# Altium PCB APC1_EPS.PcbDoc
Units mil, origin at the board's own origin, x right, y up, seen from the top; angles counter-clockwise.
Board outline 1732.28 x 1732.28 mil, 2 copper layers (Top Layer, Bottom Layer), stack 61.756 mil thick; 73 components, 44 nets, 342 pads, 214 vias.
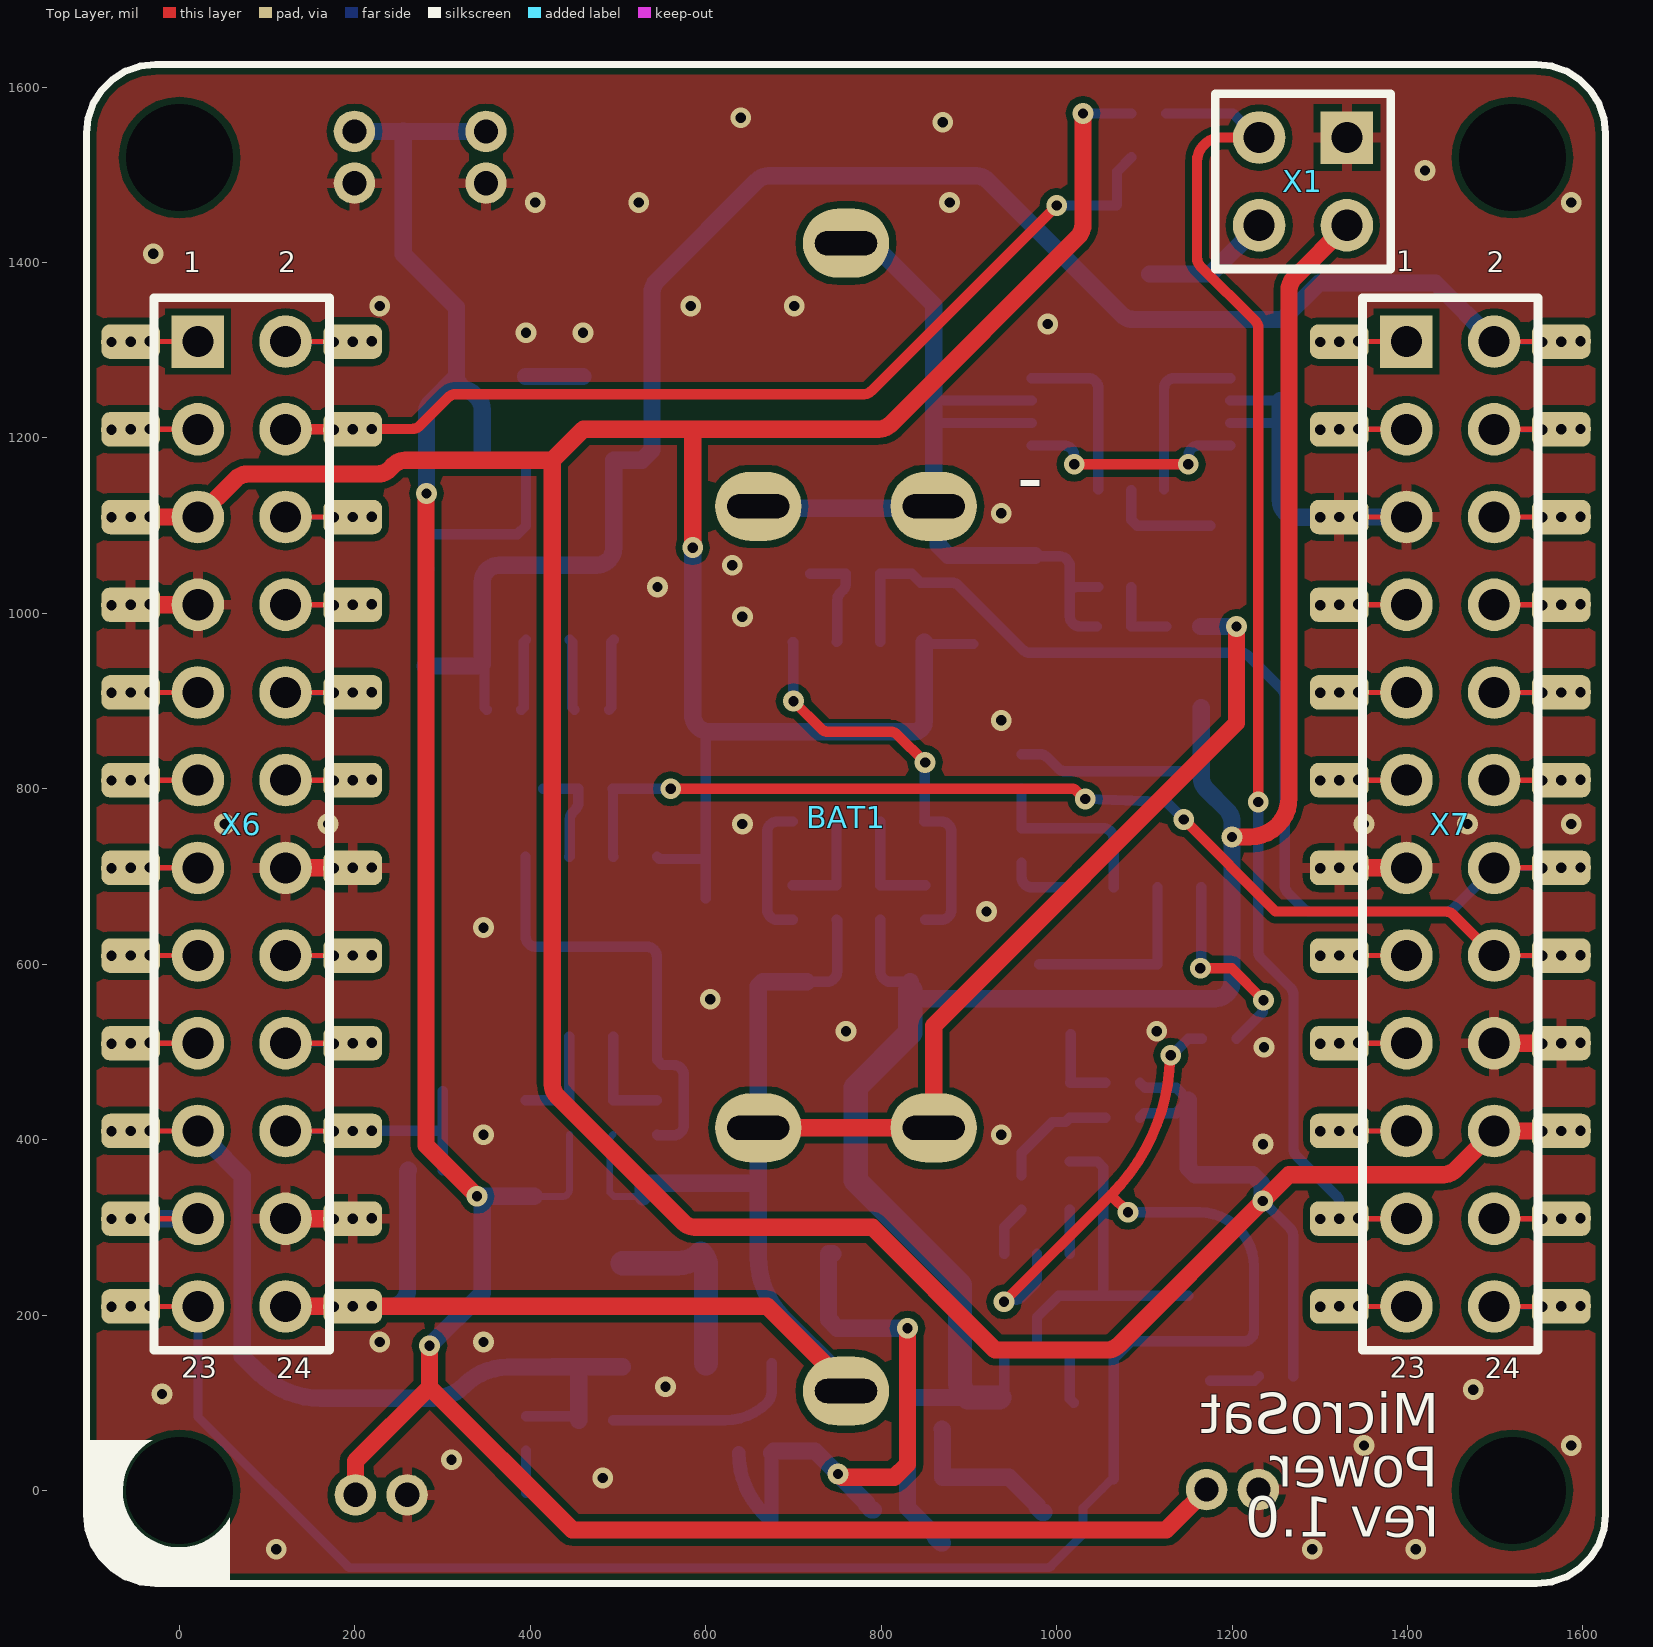
[diagram p0: Top Layer view]
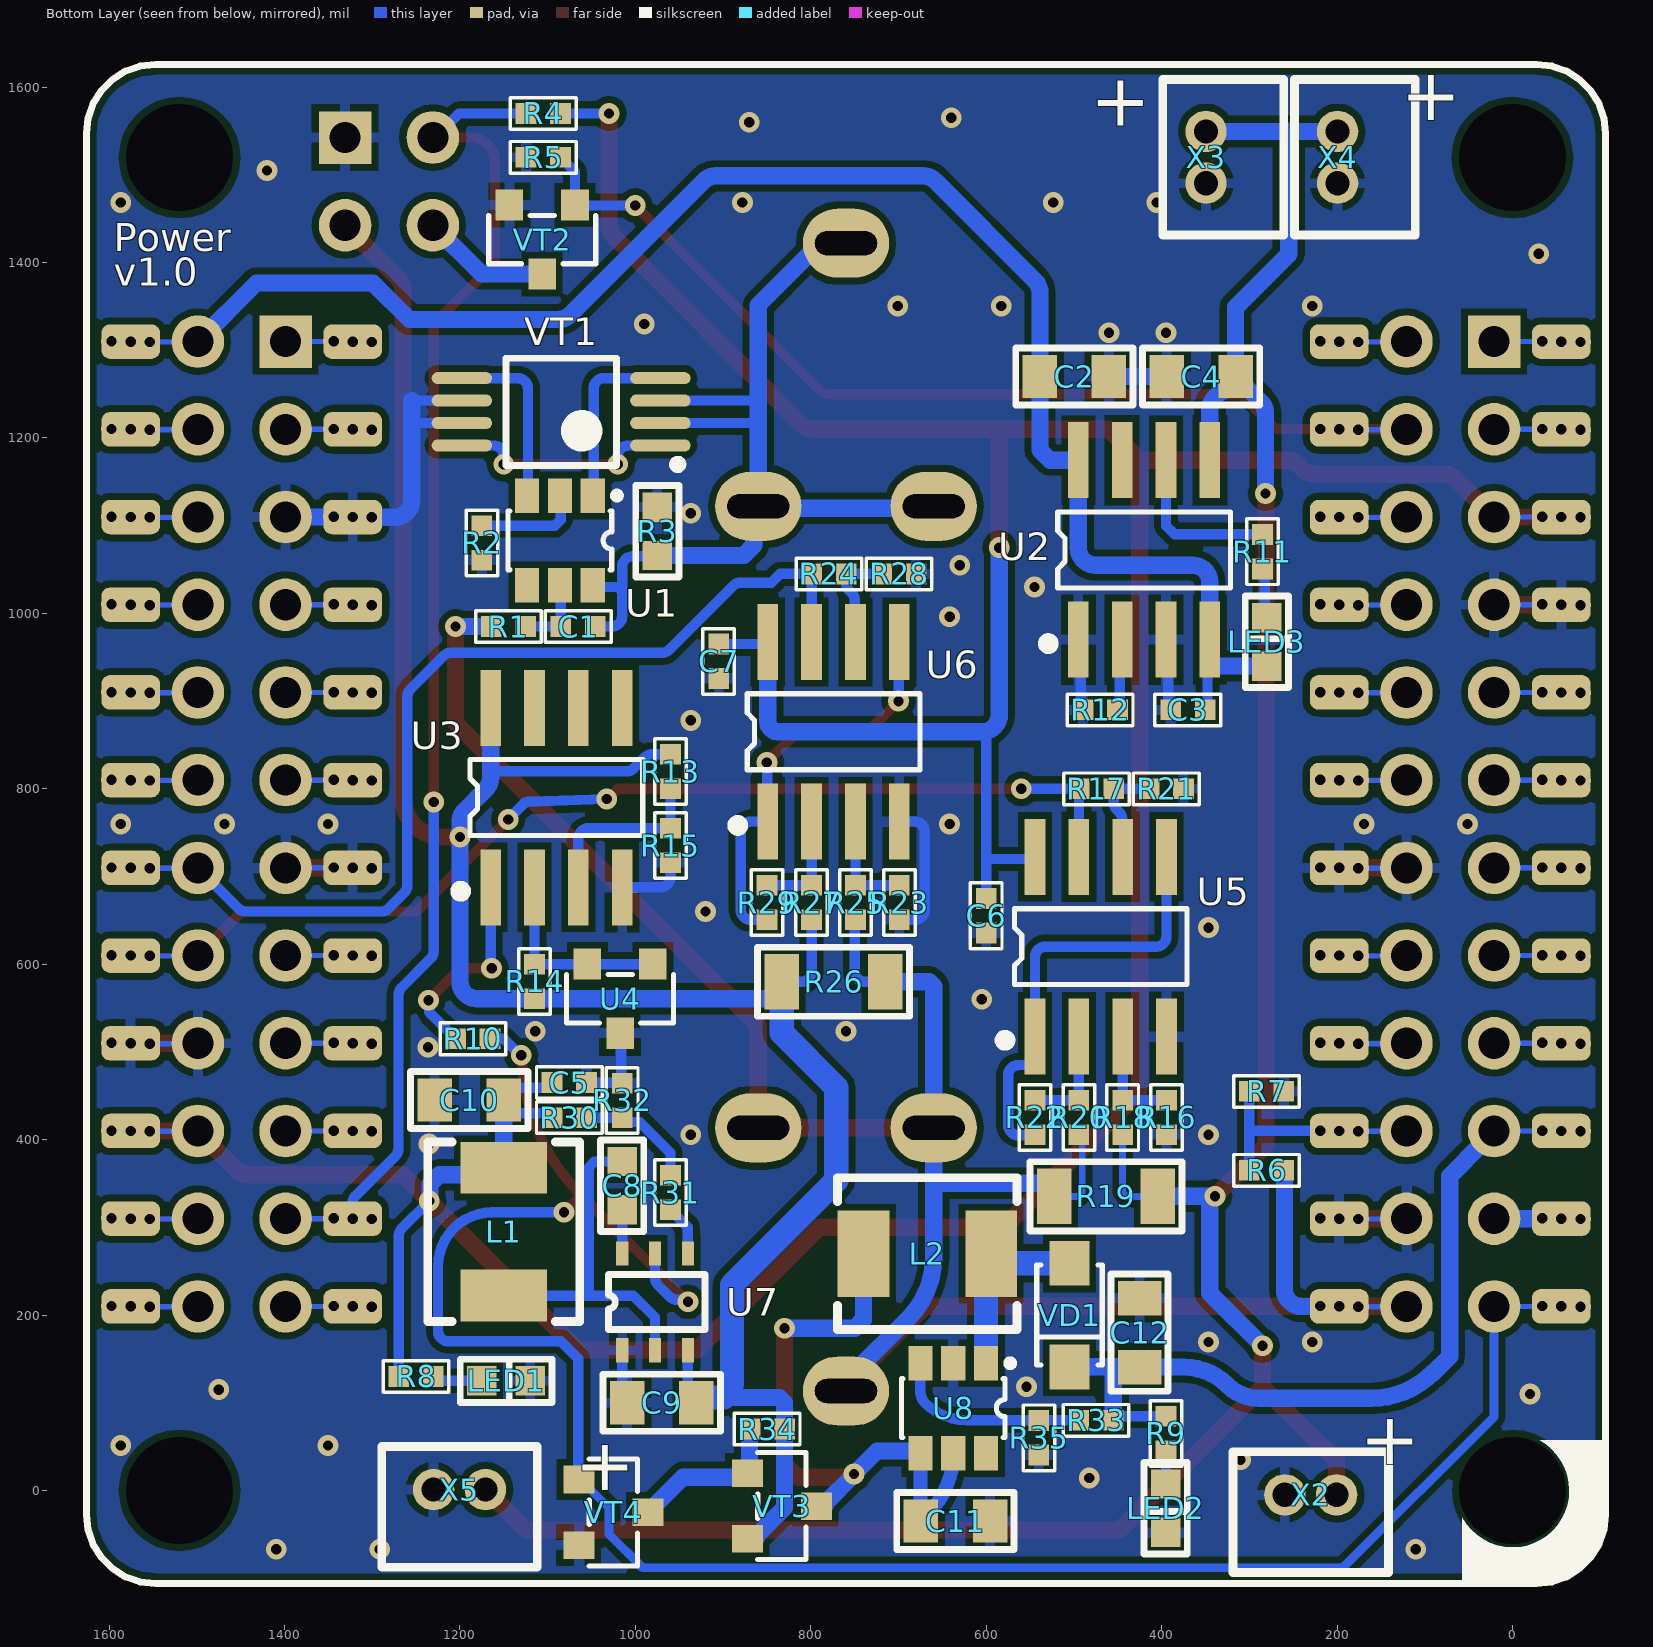
[diagram p1: Bottom Layer view, seen from below]

## Layer stack, top to bottom
Top Solder: solder mask 1, SM-001, Dk 4
Top Layer: signal copper 1.378
Dielectric 1: core 59, Core-043, Dk 4.3
Bottom Layer: signal copper 1.378
Bottom Solder: solder mask 1, SM-001, Dk 4

## Board outline
-106.3,-27.56 -104.33,-45.08 -98.5,-61.72 -89.12,-76.65 -76.65,-89.12 -61.72,-98.5 -45.08,-104.33 -27.56,-106.3 1547.24,-106.3 1564.77,-104.33 1581.41,-98.5 1596.34,-89.12 1608.81,-76.65 1618.19,-61.72 1624.01,-45.08 1625.98,-27.56 1625.98,1547.24 1624.01,1564.77 1618.19,1581.41 1608.81,1596.34 1596.34,1608.81 1581.41,1618.19 1564.77,1624.01 1547.24,1625.98 -27.56,1625.98 -45.08,1624.01 -61.72,1618.19 -76.65,1608.81 -89.12,1596.34 -98.5,1581.41 -104.33,1564.77 -106.3,1547.24

## Design rules (kind name [scope] priority, off if disabled: settings)
BoardOutlineClearance [All] p1: gap=11.81 ignorepadtopadclearanceinfootprint=FALSE
Clearance Clearance_MultiLayerPad [OnLayer('Multi-Layer') and IsPad] p1: gap=7.87 ignorepadtopadclearanceinfootprint=FALSE except(0: Arc-Hole Track-Hole SMDPad-Hole THPad-Hole Via-Hole Fill-Hole Poly-Hole Region-Hole Text-Hole)
Clearance Clearance_Polygon [InPolygon] p2: gap=5.91 ignorepadtopadclearanceinfootprint=FALSE except(0: Arc-Hole Track-Hole SMDPad-Hole THPad-Hole Via-Hole Fill-Hole Poly-Hole Region-Hole Text-Hole; 7.87: Arc-Poly Arc-Region Track-Poly Track-Region SMDPad-Poly SMDPad-Region THPad-Poly THPad-Region Via-Poly Via-Region Fill-Poly Fill-Region Poly-Poly Poly-Region)
Clearance [All] p3: gap=5.91 ignorepadtopadclearanceinfootprint=FALSE except(0: Arc-Hole Track-Hole SMDPad-Hole THPad-Hole Via-Hole Fill-Hole Poly-Hole Region-Hole Text-Hole)
ComponentClearance [All] p1: gap=19.68 collisioncheckmode=3 verticalgap=19.68 showdistances=FALSE
DiffPairsRouting [All] p1: maxlimit=15.75 minlimit=5.91 mostfreqgap=11.81 toplayer_minwidth=5.91 toplayer_maxwidth=11.81 toplayer_prefwidth=5.91 bottomlayer_minwidth=5.91 bottomlayer_maxwidth=11.81 bottomlayer_prefwidth=5.91 maxuncoupledlength=500
Height [All] p1: minheight=0 maxheight=1968.5 prefheight=500
HoleSize [All] p1: absolutevalues=TRUE maxlimit=393.7 minlimit=11.81 maxpercent=80.000 minpercent=20.000
HoleToHoleClearance [All] p1: gap=8 allowstackedmicrovias=TRUE
MinimumSolderMaskSliver [All] p1: minsoldermaskwidth=7.87
PlaneClearance [All] p1: clearance=19.68
PlaneConnect [All] p1: planeconnectstyle=Relief reliefexpansion=19.68 reliefentries=4 reliefconductorwidth=11.81 reliefairgap=7.87
PolygonConnect PolygonConnect_PadGND [InNet('GND') and IsPad] p1: connectstyle=Relief reliefconductorwidth=11.81 reliefentries=4 polygonreliefangle="90 Angle" airgapwidth=7.87
PolygonConnect PolygonConnect_Via [IsVia] p2: connectstyle=Direct reliefconductorwidth=10 reliefentries=4 polygonreliefangle="90 Angle" airgapwidth=10
PolygonConnect [All] p3: connectstyle=Relief reliefconductorwidth=11.81 reliefentries=4 polygonreliefangle="90 Angle" airgapwidth=7.87
RoomDefinition MT3608 [InComponentClass('MT3608')] p1: confinementstyle=ConfineIn formatcopy=TRUE lockcomponents=FALSE outline -5559.05,-5145.67 -3559.05,-5145.67 -3559.05,-4145.67 -5559.05,-4145.67
RoutingVias [All] p1: holewidth=7.87 width=31.5 viastyle="Through Hole" minholewidth=0 minwidth=23.62 maxholewidth=15.75 maxwidth=39.37
SilkToSolderMaskClearance [IsPad] p1: minsilkscreentomaskgap=7.87 clearancetoexposedcopper=TRUE
SolderMaskExpansion [All] p1: expansion=2.95 istentingtop=FALSE
Width [All] p1: maxlimit=39.37 minlimit=5 preferedwidth=11.81 minimp=50.000000 maximp=50.000000 favimp=50.000000
21 further rules are at their usual default settings.

## Classes and differential pairs
component class MT3608: C12 L2 R33 R34 R35 U8 VD1 VT3 VT4
channel class Current_detector: LMV3581 LMV3582

## Components (designator, comment, footprint, x,y, rotation, side; value= is the part's Value field where it differs from the comment)
BAT1 "18350+clipses" BAT_18350_CLIPS 759.84,767.72 r0 top locked
C1 "CERCAP 0402 0.1uF 10V X7R" "CERCAP 0402" 1065.32,985 r0 bottom value=0.1uF
C2 "CERCAP 0805 4.7uF 10V X7R" "CERCAP 0805" 499.37,1270 r0 bottom value=4.7uF
C3 "CERCAP 0402 0.1uF 10V X7R" "CERCAP 0402" 370,890 r180 bottom value=0.1uF
C4 "CERCAP 0805 4.7uF 10V X7R" "CERCAP 0805" 355,1270 r180 bottom value=4.7uF
C5 "CERCAP 0402 0.1 uF * X7R" "CERCAP 0402" 1075.32,465 r0 bottom value="0.1 uF" (schematic designator C8)
C6 "CERCAP 0402 0.1 uF * X7R" "CERCAP 0402" 600,655.32 r90 bottom value="0.1 uF" (schematic designator C9)
C7 "CERCAP 0402 0.1 uF * X7R" "CERCAP 0402" 905,945.32 r90 bottom value="0.1 uF" (schematic designator C9)
C8 "CERCAP 0603 1 uF * X7R" "CERCAP 0603" 1015,347.56 r270 bottom value="1 uF" (schematic designator C6)
C9 "CERCAP 0805 22 uF * X7R" "CERCAP 0805" 970,100 r180 bottom value="22 uF" (schematic designator C5)
C10 "CERCAP 0805 22 uF * X7R" "CERCAP 0805" 1189.37,445 r180 bottom value="22 uF" (schematic designator C7)
C11 "CERCAP 0805 22uF * X7R" "CERCAP 0805" 635,-35 r0 bottom value=22uF (schematic designator C10)
C12 "CERCAP 0805 22uF * X7R" "CERCAP 0805" 425,180 r270 bottom value=22uF (schematic designator C11)
L1 "FXL0420 10uH" FXL0420 1150,295 r90 bottom value=10uH
L2 "FXL0420 4.7uF" FXL0420 667.17,270 r180 bottom value=4.7uF
LED1 "LED 0603 Green" "LED 0603" 1147.44,125 r180 bottom value=Green
LED2 "LED 0603 Green" "LED 0603" 395.42,-20.24 r270 bottom value=Green
LED3 "LED 0603 Green" "LED 0603" 280,967.44 r90 bottom value=Green (schematic designator LED2)
R1 "RES 0402 100" "RES 0402" 1144.69,985 r180 bottom value=100 (schematic designator R8)
R2 "RES 0402 1k" "RES 0402" 1175,1080.31 r90 bottom value=1k (schematic designator R10)
R3 "RES 0603 None" "RES 0603" 975,1093.54 r270 bottom value=None (schematic designator R9)
R4 "RES 0402 10k" "RES 0402" 1105,1570 r0 bottom value=10k (schematic designator R1)
R5 "RES 0402 10k" "RES 0402" 1105,1520 r180 bottom value=10k (schematic designator R2)
R6 "RES 0402 10k" "RES 0402" 280.32,365 r180 bottom value=10k (schematic designator R3)
R7 "RES 0402 10k" "RES 0402" 280.32,455 r0 bottom value=10k (schematic designator R4)
R8 "RES 0402 4.7k" "RES 0402" 1250,130 r0 bottom value=4.7k (schematic designator R5)
R9 "RES 0402 4.7k" "RES 0402" 395,65 r90 bottom value=4.7k (schematic designator R6)
R10 "RES 0402 2k" "RES 0402" 1185.32,515 r180 bottom value=2k (schematic designator R7)
R11 "RES 0402 4.7k" "RES 0402" 285,1070.31 r270 bottom value=4.7k (schematic designator R12)
R12 "RES 0402 3k" "RES 0402" 470,890 r180 bottom value=3k (schematic designator R11)
R13 "RES 0402 10k" "RES 0402" 960,819.68 r270 bottom value=10k (schematic designator R17)
R14 "RES 0402 50k" "RES 0402" 1115,580.31 r90 bottom value=50k (schematic designator R16)
R15 "RES 0402 6.1k????" "RES 0402" 960,735.31 r90 bottom value=6.1k???? (schematic designator R18)
R16 "RES 0402 39k" "RES 0402" 394.37,425.31 r270 bottom value=39k (schematic designator R22)
R17 "RES 0402 43k" "RES 0402" 474.37,800 r0 bottom value=43k (schematic designator R25)
R18 "RES 0402 39k" "RES 0402" 444.37,425.31 r90 bottom value=39k (schematic designator R20)
R19 "RES 1206 0.1" "RES 1206" 463.44,335.39 r180 bottom value=0.1
R20 "RES 0402 39k" "RES 0402" 494.37,425.31 r90 bottom value=39k (schematic designator R21)
R21 "RES 0402 560" "RES 0402" 394.69,800 r0 bottom value=560 (schematic designator R24)
R22 "RES 0402 39k" "RES 0402" 544.37,425.31 r270 bottom value=39k (schematic designator R23)
R23 "RES 0402 39k" "RES 0402" 699.06,670.31 r270 bottom value=39k (schematic designator R22)
R24 "RES 0402 43k" "RES 0402" 779.37,1045 r0 bottom value=43k (schematic designator R25)
R25 "RES 0402 39k" "RES 0402" 749.06,670.31 r90 bottom value=39k (schematic designator R20)
R26 "RES 1206 0.1" "RES 1206" 774.06,580 r180 bottom value=0.1 (schematic designator R19)
R27 "RES 0402 39k" "RES 0402" 799.06,670.31 r90 bottom value=39k (schematic designator R21)
R28 "RES 0402 560" "RES 0402" 699.37,1045 r0 bottom value=560 (schematic designator R24)
R29 "RES 0402 39k" "RES 0402" 850,670.31 r270 bottom value=39k (schematic designator R23)
R30 "RES 0402 40.2k" "RES 0402" 1075.32,425 r0 bottom value=40.2k (schematic designator R14)
R31 "RES 0402 75k" "RES 0402" 960,339.68 r90 bottom value=75k (schematic designator R13)
R32 "RES 0402 13k" "RES 0402" 1015,444.68 r270 bottom value=13k (schematic designator R15)
R33 "RES 0402 65k" "RES 0402" 474.69,80 r180 bottom value=65k (schematic designator R27)
R34 "RES 0402 10k" "RES 0402" 849.69,70 r0 bottom value=10k (schematic designator R26)
R35 "RES 0402 10k" "RES 0402" 540,60 r90 bottom value=10k (schematic designator R28)
U1 "DW01A" SOT23-6#1 1085.98,1083.13 r270 bottom
U2 "TP4056" SO-8 420,1072.36 r180 bottom
U3 "LM358" SO-8 1090,790 r180 bottom (schematic designator U5)
U4 "Voltage_Ref" SOT23-3 1017.4,560.63 r90 bottom
U5 "LM358" SO-8 469.37,620 r180 bottom (schematic designator U6)
U6 "LM358" SO-8 774.06,865 r180 bottom
U7 "TPMP1470GJ-Z" SOT23-6#2 1015,159.76 r90 bottom (schematic designator U3)
U8 "MT3608" SOT23-6#1 637.6,93.82 r270 bottom (schematic designator U7)
VD1 "Shottly diode SOD-123" SOD-123 505,200 r270 bottom
VT1 "FS8205A" TSSOP-8 1084.69,1229.84 r90 bottom (schematic designator VT2)
VT2 "AO3400A" SOT23-3 1106.22,1426.22 r90 bottom (schematic designator VT1)
VT3 "BSS84" SOT23-3 832.96,-17.9 r0 bottom
VT4 "2N7002" SOT23-3 1025,-25 r0 bottom
X1 "Header?" PBD-4-2.54 1280.88,1492.49 r180 top (schematic designator X3)
X2 "Header?" ZH-2 230,-5 r180 bottom (schematic designator X4)
X3 "Header?" ZH-2 349.37,1520 r90 bottom (schematic designator X5)
X4 "Header?" ZH-2 199.37,1520 r90 bottom (schematic designator X6)
X5 "Header?" ZH-2 1200.52,0.91 r180 bottom (schematic designator X7)
X6 "PLD24 + PBD24" PICOSAT_CNN 70.87,759.84 r270 top (schematic designator X1)
X7 "PLD24 + PBD24" PICOSAT_CNN 1448.82,759.84 r270 top (schematic designator X2)

## Footprints (in the part's own frame and the unit in brackets; to place one, negate y for a bottom-side part, rotate by r counter-clockwise, add the part's x,y. Pads: shape width x height; smd on the part's side, far side on the other; paste and mask are expansions set on the pad)
BAT_18350_CLIPS [mm]
  oval 2.5x2 hole 0.7 slot 1.8 at 0 deg: A(-2.54,-9) A(0,-16.62) A(2.54,-9) K(-2.54,9) K(0,16.62) K(2.54,9)
  body extent -10.29,-22.18 10.29,21.78, height 21
"CERCAP 0402" [mm]
  rect 0.6x0.6 smd: 1(-0.5,0) 2(0.5,0)
  silkscreen extent -0.96,-0.46 0.95,0.46, body extent -0.51,-0.25 0.51,0.25, height 0.51
"CERCAP 0603" [mm]
  rect 0.85x0.85 smd: 1(-0.7,0) 2(0.7,0)
  silkscreen extent -1.33,-0.63 1.33,0.63, body extent -0.8,-0.4 0.8,0.4, height 0.3
"CERCAP 0805" [mm]
  rect 1x1.25 smd: 1(-1,0) 2(1,0)
  silkscreen extent -1.7,-0.82 1.7,0.82, body extent -1,-0.62 1,0.63, height 0.78
FXL0420 [mm]
  rect 1.5x2.5 smd: 1(-1.85,0) 2(1.85,0)
  silkscreen extent -2.6,-2.2 2.6,2.2, body extent -2.5,-2.5 2.5,2.5, height 3.08
"LED 0603" [mm]
  rect 0.85x0.85 smd: 1(-0.7,0) 2(0.7,0)
  silkscreen extent -1.33,-0.63 1.33,0.63, body extent -0.8,-0.4 0.8,0.4, height 0.6
PBD-4-2.54 [mil]
  rect 60x60 hole 35.43: 1(-50,-50)
  round 60 hole 35.43: 2(-50,50) 3(50,-50) 4(50,50)
  silkscreen extent -100,-100 100,100
PICOSAT_CNN [mil]
  rrect50% 39.37x66.93 smd: 1(-550,-126.57) 2(-550,126.57) 3(-450,-126.57) 4(-450,126.57) 5(-350,-126.57) 6(-350,126.57) 7(-250,-126.57) 8(-250,126.57) 9(-150,-126.57) 10(-150,126.57) 11(-50,-126.57) 12(-50,126.57) 13(50,-126.57) 14(50,126.57) 15(150,-126.57) 16(150,126.57) 17(250,-126.57) 18(250,126.57) 19(350,-126.57) 20(350,126.57) 21(450,-126.57) 22(450,126.57) 23(550,-126.57) 24(550,126.57)
  rrect50% 39.37x66.93 smd far side: 1(-550,-126.57) 2(-550,126.57) 3(-450,-126.57) 4(-450,126.57) 5(-350,-126.57) 6(-350,126.57) 7(-250,-126.57) 8(-250,126.57) 9(-150,-126.57) 10(-150,126.57) 11(-50,-126.57) 12(-50,126.57) 13(50,-126.57) 14(50,126.57) 15(150,-126.57) 16(150,126.57) 17(250,-126.57) 18(250,126.57) 19(350,-126.57) 20(350,126.57) 21(450,-126.57) 22(450,126.57) 23(550,-126.57) 24(550,126.57)
  rect 60x60 hole 35.43: 1(-550,-50)
  round 60 hole 35.43: 2(-550,50) 3(-450,-50) 4(-450,50) 5(-350,-50) 6(-350,50) 7(-250,-50) 8(-250,50) 9(-150,-50) 10(-150,50) 11(-50,-50) 12(-50,50) 13(50,-50) 14(50,50) 15(150,-50) 16(150,50) 17(250,-50) 18(250,50) 19(350,-50) 20(350,50) 21(450,-50) 22(450,50) 23(550,-50) 24(550,50)
  Top Layer lines w6: 550,-104.75 550,-50 ; 450,-104.75 450,-50 ; 350,-104.75 350,-50 ; 250,-104.75 250,-50 ; 150,-104.75 150,-50 ; 50,-104.75 50,-50 ; -50,-104.75 -50,-50 ; -150,-104.75 -150,-50 ; -250,-104.75 -250,-50 ; -350,-104.75 -350,-50 ; -450,-104.75 -450,-50 ; -550,-104.75 -550,-50 ; 550,50 550,104.75 ; 450,50 450,104.75 ; 350,50 350,104.75 ; 250,50 250,104.75 ; 150,50 150,104.75 ; 50,50 50,104.75 ; -50,50 -50,104.75 ; -150,50 -150,104.75 ; -250,50 -250,104.75 ; -350,50 -350,104.75 ; -450,50 -450,104.75 ; -550,50 -550,104.75
  Bottom Layer lines w6: 550,-104.75 550,-50 ; 350,-104.75 350,-50 ; 250,-104.75 250,-50 ; 150,-104.75 150,-50 ; 50,-104.75 50,-50 ; -50,-104.75 -50,-50 ; -150,-104.75 -150,-50 ; -250,-104.75 -250,-50 ; -350,-104.75 -350,-50 ; -450,-104.75 -450,-50 ; -550,-104.75 -550,-50 ; 550.41,50 550.41,104.75 ; 450.41,50 450.41,104.75 ; 350.41,50 350.41,104.75 ; 250.41,50 250.41,104.75 ; 150.41,50 150.41,104.75 ; 50.41,50 50.41,104.75 ; -49.59,50 -49.59,104.75 ; -149.59,50 -149.59,104.75 ; -249.59,50 -249.59,104.75 ; -349.59,50 -349.59,104.75 ; -449.59,50 -449.59,104.75 ; -549.59,50 -549.59,104.75
  Bottom Layer lines w7.87: -549.59,50 -550,50
  Bottom Layer lines w19.68: 450,-104.75 450,-50
  silkscreen extent -600,-100 600,100, body extent -600,-148 600,148, height 386
"RES 0402" [mm]
  rect 0.6x0.6 smd: 1(-0.5,0) 2(0.5,0)
  silkscreen extent -0.95,-0.46 0.95,0.46, body extent -0.52,-0.25 0.48,0.25, height 0.34
"RES 0603" [mm]
  rect 0.85x0.85 smd: 1(-0.7,0) 2(0.7,0)
  silkscreen extent -1.33,-0.63 1.33,0.63, body extent -0.8,-0.4 0.8,0.4, height 0.44
"RES 1206" [mm]
  rect 1x1.6 smd: 1(-1.5,0) 2(1.5,0)
  silkscreen extent -2.2,-1 2.2,1, body extent -1.65,-0.8 1.55,0.8, height 0.47
SO-8 [mm] "Small Outline; 8 Leads; Body Width 3.9 mm; Pitch 1.27 mm"
  rect 0.6x2.2 smd mask+0.05: 1(-1.905,-2.6) 2(-0.635,-2.6) 3(0.635,-2.6) 4(1.905,-2.6) 5(1.905,2.6) 6(0.635,2.6) 7(-0.635,2.6) 8(-1.905,2.6)
  silkscreen extent -2.92,-2.86 2.5,1.1, body extent -2.45,-3.07 2.44,3.07, height 1.73
SOD-123 [mm] "SODFL, 2-Leads, Body 1,80x3,65mm, IPC Medium Density"
  rect 1.3x1.15 smd: A(-1.5,0) C(1.5,0)
  silkscreen extent -1.45,-0.95 1.45,0.95, body extent -1.83,-0.95 1.83,0.95, height 1.1
SOT23-3 [mm]
  rect 0.9x0.8 smd mask+0.05: 1(1,-0.95) 2(1,0.95) 3(-1,0)
  silkscreen extent -0.7,-1.55 0.7,1.55, body extent -1.21,-1.47 1.33,1.45, height 0.99
SOT23-6#1 [mm]
  rect 1x0.7 smd mask+0.05: 1(-1.3,0.95) 2(-1.3,0) 3(-1.3,-0.95) 4(1.3,-0.95) 5(1.3,0) 6(1.3,0.95)
  silkscreen extent -1.4,-1.5 0.85,1.75, body extent -1.24,-1.41 1.18,1.38, height 1.09
SOT23-6#2 [mm]
  rect 0.7x0.35 smd: 1(0,0) 2(0,-0.95) 3(0,-1.9) 4(2.8,-1.9) 5(2.8,-0.95) 6(2.8,0)
  silkscreen extent 0.6,-2.4 2.2,0.4
TSSOP-8 [mm] "TSOP, 8-Leads, Body 3,1x4,5mm (max), Pitch 0,65mm, IPC Medium Density"
  oval 0.35x1.75 smd: 1(-0.975,-2.875) 2(-0.325,-2.875) 3(0.325,-2.875) 4(0.975,-2.875) 5(0.975,2.875) 6(0.325,2.875) 7(-0.325,2.875) 8(-0.975,2.875)
  silkscreen extent -1.65,-3.5 1.55,1.6, body extent -1.5,-3.09 1.5,3.19, height 1.09
ZH-2 [mm]
  round 1.2 hole 0.7: 1(-0.75,0) 2(0.75,0)
  silkscreen extent -2.25,-2.25 2.25,1.25, body extent -2.25,-2.25 2.25,1.25, height 4.5

## Part data
BAT1: library part !Battery, "generic battery"
C1 C2 C3 C4: library part !Capacitor, "Capacitor", Voltage=10V, Diel=X7R, IsSMT=NoSMT
C5 C6 C7 C8 C9 C10 C11 C12: library part !Capacitor, "Capacitor", Diel=X7R, IsSMT=NoSMT
L1 L2: library part Inductor, "Inductor", IsSMT=NoSMT
LED1 LED2 LED3: library part LED, "Light Emittering Diode", IsSMT=NoSMT
R1 R2 R3 R4 R5 R6 R7 R8 R9 R10 R11 R12 R13 R14 R15 R16 R17 R18 R19 R20 R21 R22 R23 R24 R25 R26 R27 R28 R29 R30 R31 R32 R33 R34 R35: library part !Resistor, "Resistor", IsSMT=NoSMT
U1: "BMS"
U2: "Charger lin", Order=TP4056
U3 U5 U6: library part DualOpAmp, "Operational amplifier"
U8: "Integrated Circuit", Manufacturer_Name=Aerosemi, Datasheet Link=https://www.olimex.com/Products/Breadboarding/BB-PWR-3608/resources/MT3608.pdf, Height=1.45mm, Manufacturer_Part_Number=MT3608
VD1: library part DiodeS, "Diode Shottky", IsSMT=NoSMT
VT1: "double N-ch", IsSMT=NoSMT
VT2 VT4: library part "!Generic N MOSFET", "generic N mosfet", IsSMT=NoSMT
VT3: library part "!Generic P MOSFET", "generic P mosfet", IsSMT=NoSMT
X1: library part "Header 2x2", "2x2 header", IsSMT=NoSMT, Purpose=Purpose?
X2 X3 X4 X5: library part "Header 1x2", "2x1 header", IsSMT=NoSMT, Purpose=Purpose?
X6 X7: library part "Header 2x12", "10x2 header", IsSMT=NoSMT, Purpose=Purpose?

## Free pads (board coordinates)
  round 118.11 hole 122.05: 1(0,0) 1(0,1519.68) 1(1519.69,0) 1(1519.69,1519.68)

## Via types
v1: diameter 23.62, hole 11.81, Top Layer to Bottom Layer, tented both sides, 214 vias

## Nets (pads, with @x,y where several pads share a name; then routed paths per layer and width w, separated by ;. In a path a pad name is that pad's centre, name@x,y a point inside that pad or via, vN(x,y) a via of type N, cw(c..) or ccw(c..) an arc to the next point about the centre after c; other vN are vias at no path point)
+3.3V: C5.2 C6.2 C7.2 C10.2 L1.2 R4.1 R8.2 R30.2 U5.8 U6.8 X6.5 X7.20 | length 5031.6
  Top Layer w19.68: X6.5@-55.7,1109.84 -33.88,1109.84 20.86,1109.84 64.13,1153.11 cw(c78.05,1139.19) 78.05,1158.87 225.72,1158.87 ccw(c225.72,1178.56) 239.6,1164.6 243.82,1168.82 cw(c257.7,1154.86) 257.7,1174.54 425,1174.54 ; v1(585,1075) 585,1210 ; v1(1030,1570) 1030,1443.15 cw(c1010.32,1443.15) 1024.29,1429.29 810.77,1215.77 cw(c796.85,1229.68) 796.85,1210 585,1210 ; v1(1575.39,409.84) 1498.82,409.84 1454.71,365.73 cw(c1440.83,379.68) 1440.83,360 1265,360 v1(1235,330) 1070.73,165.73 cw(c1056.85,179.68) 1056.85,160 930,160 790,300 588.07,300 cw(c588.15,319.68) 574.3,305.7 430.71,449.29 cw(c444.68,463.15) 425,463.06 425,1174.54 ; 425,1174.54 460.46,1210 585,1210
  Bottom Layer w11.81: U5.8 546.73,720 600,720 ; C6.2 600,720 ; 604.69,865 600,860.31 600,720 ; U6.8 851.42,965 C7.2 ; v1(1030,1570) R4.1 ; R30.2 1100,430 1136.22,430 C10.2 1136.22,459.09 1100.91,459.09 C5.2 ; v1(1235,330) 1266.23,298.77 cw(c1257.87,290.42) 1269.68,290.42 R8.2
  Bottom Layer w19.68: v1(585,1075) 585,884.68 ccw(c604.69,884.68) 604.69,865 837.29,865 ccw(c837.24,876.81) 849.06,876.81 U6.8 ; C10.2 L1.2 1157.83,360 1223.47,360 1234.25,349.22 1234.25,330.75 v1(1235,330)
  other v1: 1553.57,409.44 1597.22,410.24 -77.53,1109.44 -55.71,1109.84 -33.88,1110.24
+5V_USB: C2.2 C3.2 LED3.1 U2.4 U2.8 X7.2 | length 1840.1
  Bottom Layer w11.81: U2.4@347.66,939.88 347.66,892.66 C3.2
  Bottom Layer w19.68: LED3.1 343.03,939.88 345,941.85 U2.4 345,1035.31 345,1035.38 cw(c364.68,1035.31) 364.68,1055 475.32,1055 ccw(c475.32,1074.68) 495,1074.68 U2.8 527.21,1174.72 538.74,1186.26 C2.2 538.74,1365.65 cw(c558.43,1365.59) 544.45,1379.45 658.09,1493.09 cw(c671.97,1479.13) 671.97,1498.82 908.03,1498.82 cw(c908.03,1479.13) 921.99,1493.01 1074.23,1340.77 1074.28,1340.72 ccw(c1088.15,1354.68) 1088.09,1335 1230,1335 1257.5,1335 1299.24,1376.74 1431.92,1376.74 X7.2@1498.82,1309.84
  other v1: 1553.57,1309.44 1575.39,1309.84 1597.22,1310.24
BS: C8.2 U7.6 | length 50
  Bottom Layer w11.81: U7.6 C8.2
CS: R2.2 U1.2 | length 126.2
  Bottom Layer w11.81: U1.2@1085,1140.24 1085,1106.92 1091.92,1100 R2.2
FB: R30.1 R31.2 R32.2 | length 137.9
  Bottom Layer w11.81: R31.2 960,385.07 994.94,420.01 1010.01,420.01 R32.2 R30.1
GND: C2.1 C3.1 C4.1 C5.1 C6.1 C7.1 C9.1 C10.1 C11.1 C12.1 LED1.2 LED2.2 R2.1 R3.1 R5.1 R7.1 R12.1 R15.1 R16.2 R21.1 R23.2 R28.1 R32.1 R35.1 U2.1 U2.3 U3.4 U4.3 U5.4 U6.4 U7.1 U8.2 VT1.6 VT1.7 VT2.2 VT4.2 X1.1 X2.1 X3.1 X4.1 X5.1 X6.7 X6.14 X6.22 X7.5 X7.13 X7.18 | length 1391.4
  Top Layer w19.68: X6.7@-55.7,1009.84 X6.7@20.86,1009.84 ; X6.22@120.87,309.84 175.61,309.84 v1(197.44,309.84) ; X6.14@120.87,709.84 175.61,709.84 v1(197.44,709.84) ; v1(1322.25,709.84) X7.13@1398.82,709.84 ; X7.18@1498.82,509.84 1553.57,509.84 v1(1575.39,509.84)
  Bottom Layer w11.81: C3.1 392.34,892.66 392.34,967.34 U2.3 ; R12.1 492.34,892.66 492.34,967.34 U2.1 ; R23.2 681.76,650.63 cw(c681.81,662.44) 670,662.39 670,750.83 cw(c681.81,750.83) 681.81,762.64 U6.4 ; R15.1 960,699.45 ccw(c971.81,699.45) 971.81,687.64 U3.4 ; U7.1 1015,104.37 C9.1@1019.37,100 ; U4.3@1016.2,520.06 1016.2,465.57 1015.32,464.68 1055.32,464.68 C5.1 ; VT1.7 1255,1217.04 ; VT1.6 1255,1242.63
  Bottom Layer w19.68: C4.1 C2.1 ; 1255,1242.63 1255,1217.04 1255,1129.13 ccw(c1274.69,1129.13) 1274.69,1109.44 v1(1300.42,1109.44) ; X7.5@1300.42,1109.84 X7.5@1398.82,1109.84
  other v1: 110.23,-66.93 1291.34,-66.93 1409.45,-66.93 482.49,14.11 310,35 1350.39,51.18 1586.61,51.18 -20,110 1475,115 553.99,118.13 228.35,169.29 346.46,169.29 175.61,309.44 219.26,310.24 1235.31,394.91 346.46,405.51 937.01,405.51 1236.5,505.44 1553.57,509.44 1597.22,510.24 759.84,523.62 1114.17,523.62 605,560 346.46,641.73 920,660 175.61,709.44 1300.42,709.44 219.26,710.24 1344.07,710.24 51.18,759.84 169.29,759.84 641.73,759.84 1350.39,759.84 1468.5,759.84 1586.61,759.84 937.01,877.95 641.73,996.06 -77.53,1009.44 -55.71,1009.84 -33.88,1010.24 545,1030 630,1055 1322.25,1109.84 1344.07,1110.24 937.01,1114.17 395,1320 460,1320 990,1330 228.35,1350.39 582.68,1350.39 700.79,1350.39 -30,1410 405.51,1468.5 523.62,1468.5 877.95,1468.5 1586.61,1468.5 1420,1505 870,1560 640,1565
GND_BAT: BAT1.K C1.1 R3.2 U1.6 VT1.2 VT1.3 | length 1122.9
  Bottom Layer w11.81: 859.84,1220 862.8,1217.04 VT1.2 ; 859.84,1242.63 VT1.3 ; R3.2 975.98,1065 1003.19,1065 cw(c1003.19,1053.19) 1015,1053.24 1015,1025 ; C1.1 1026.76,985 cw(c1026.81,996.81) 1015,996.76 1015,1025 ; U1.6@1047.6,1030 1020,1030 1015,1025
  Bottom Layer w19.68: BAT1.K@659.84,1122.05 661.98,1119.91 857.7,1119.91 BAT1.K@859.84,1122.05 ; BAT1.K@759.84,1441.73 769.69,1441.73 859.84,1351.58 859.84,1242.63 859.84,1220 BAT1.K@859.84,1141.73 ; BAT1.K@865,1136.58 865,1119.91 865,1077.52 876.53,1065.98 R3.2
HEAT_EN: R5.2 VT2.1 X6.4 | length 1113.4
  Top Layer w11.81: X6.4@120.87,1209.84 175.61,1209.84 v1(197.44,1209.84) X6.4@219.26,1209.84 ; v1(219.26,1210.24) 265.34,1210.24 ccw(c265.34,1222.05) 273.67,1213.67 306.54,1246.54 cw(c314.89,1238.19) 314.89,1250 780.11,1250 ccw(c780.11,1261.81) 788.46,1253.46 v1(1000,1465)
  Bottom Layer w11.81: v1(1000,1465) 1068.23,1465 VT2.1 1068.82,1503.5 R5.2
  other v1: 175.61,1209.44
I_CH: R17.2 U5.7 X7.16 | length 1158.8
  Top Layer w11.81: v1(560,800) 1017.68,800 cw(c1017.68,794.09) 1021.7,798.42 v1@1032.48,788.42 ; v1(1145,765) 1250,660 1443.77,660 cw(c1443.77,648.19) 1452.08,656.58 X7.16@1498.82,609.84
  Bottom Layer w11.81: U5.7 494.21,722.52 494.21,799.84 R17.2 v1(560,800) ; v1(1032.51,788.39) 1122.68,785.09 cw(c1122.46,779.18) 1126.64,783.36 v1(1145,765)
  other v1: 1553.57,609.44 1575.39,609.84 1597.22,610.24
I_DS: R24.2 U6.7 X7.14 | length 1098.8
  Bottom Layer w11.81: U6.7 R24.2 835,1045 845,1035 880.11,1035 cw(c880.11,1023.19) 888.41,1031.59 961.51,958.49 ccw(c969.89,966.81) 969.84,955 1210.11,955 cw(c1210.11,943.19) 1218.41,951.59 1256.57,913.43 cw(c1248.19,905.11) 1260,905.11 1260,689.89 ccw(c1271.81,689.89) 1263.43,681.57 1281.54,663.46 ; 1281.57,663.43 ccw(c1289.89,671.81) 1289.89,660 1444.09,660 ccw(c1444.09,671.81) 1452.44,663.46 1498.82,709.84 1498.82,709.43 X7.14@1498.82,696.8
  other v1: 1553.57,709.44 1575.39,709.84 1597.22,710.24
I_LIM: R12.2 U2.2 | length 82.2
  Bottom Layer w11.81: U2.2 447.66,967.34 447.66,892.66 R12.2
INV: R34.2 VT3.1 VT4.3 | length 188.6
  Bottom Layer w19.68: R34.2 870,69.37 870,15 945.63,15 977.76,-17.13 977.76,-19.09 983.66,-25 VT4.3
LX: C8.1 L1.1 U7.2 | length 407.3
  Bottom Layer w11.81: U7.2 977.6,197.6 1002.17,222.17 1053.03,222.17 ; C8.1 1046.11,375.12 1053.03,368.2 1053.03,222.17 ; L1.1 1053.03,222.17
MT_FB: R33.1 R35.2 U8.3 | length 227.3
  Bottom Layer w11.81: R33.1 621.72,80 ccw(c621.72,148.28) 670,100 ccw(c657.93,112.07) 675,112.07 U8.3
NetLED1_1: LED1.1 R8.1 | length 57.4
  Bottom Layer w11.81: LED1.1 1225.32,125 R8.1
NetLED2_1: LED2.1 R9.1 | length 47.8
  Bottom Layer w11.81: LED2.1@395,-2.44 R9.1
NetLED3_2: LED3.2 R11.2 | length 57.7
  Bottom Layer w11.81: LED3.2 282.5,997.5 282.5,1048.13 R11.2
NetR10_1: R10.1 U3.1 | length 235.9
  Top Layer w11.81: v1(1163.93,595.34) 1199.48,595.34 v1(1235.87,558.95)
  Bottom Layer w11.81: v1@1165,594.93 U3.1 ; R10.1 1233.43,543.43 ccw(c1229.24,547.6) 1235.14,547.26 v1(1235.87,558.95)
NetR13_2: R13.2 R15.2 U3.3 | length 212.3
  Bottom Layer w11.81: R13.2 R15.2 1053.19,755 cw(c1053.19,743.19) 1065,743.19 U3.3
NetR16_1: R16.1 R18.2 U5.3 | length 122.6
  Bottom Layer w11.81: R16.1 R18.2 U5.3
NetR17_1: R17.1 R21.2 U5.6 | length 121.2
  Bottom Layer w11.81: R21.2 448.78,800 R17.1 454.69,784.58 cw(c442.87,784.58) 451.25,776.25 448.43,773.43 ccw(c456.81,765.11) 445,765.11 445,722.99 U5.6
NetR20_2: R20.2 R22.1 U5.2 | length 122.6
  Bottom Layer w11.81: U5.2 R20.2 R22.1
NetR22_2: R22.2 U5.1 U5.5 | length 505.1
  Bottom Layer w11.81: U5.5 394.37,631.81 ccw(c406.18,631.81) 406.18,620 532.56,620 cw(c532.56,608.19) 544.37,608.19 U5.1 544.37,490.91 550.28,485 563.19,485 cw(c563.19,473.19) 575,473.24 575,416.81 cw(c563.19,416.81) 563.19,405 545,405 R22.2
NetR23_1: R23.1 R25.2 U6.3 | length 122.6
  Bottom Layer w11.81: R23.1 R25.2 U6.3
NetR24_1: R24.1 R28.2 U6.6 | length 121.7
  Bottom Layer w11.81: R28.2 753.78,1045 R24.1 759.69,1034.58 cw(c747.87,1034.58) 756.25,1026.25 753.43,1023.43 ccw(c761.81,1015.11) 750,1015.11 750,968.31 U6.6
NetR27_2: R27.2 R29.1 U6.2 | length 123.6
  Bottom Layer w11.81: U6.2 R27.2 R29.1
NetR29_2: R29.2 U6.1 U6.5 | length 476.3
  Top Layer w11.81: v1(700,900) 731.54,868.46 ; 731.57,868.43 ccw(c739.89,876.81) 739.89,865 810.11,865 cw(c810.11,853.19) 818.46,861.54 v1(850,830)
  Bottom Layer w11.81: U6.5 699.53,966.89 699.53,900.47 v1(700,900) ; R29.2 868.19,650.63 ccw(c868.19,662.44) 880,662.44 880,750.88 ccw(c868.19,750.83) 868.19,762.64 U6.1 849.53,763.11 849.53,829.53 v1(850,830)
NetR31_1: R31.1 U7.4 | length 58.2
  Bottom Layer w11.81: U7.4 940.2,300.2 R31.1
NetVT1_1: VT1.1 VT1.8 | length 258.9
  Top Layer w11.81: v1(1020,1170) v1(1150,1170)
  Bottom Layer w11.81: VT1.1 1008.19,1191.45 cw(c1008.19,1179.64) 1020,1179.64 v1(1020,1170) ; v1(1150,1170) 1150.28,1179.99 cw(c1162.09,1179.64) 1162.09,1191.45 1170.4,1191.45 VT1.8
NetVT2_D6: VT2.3 X1.4 | length 147.7
  Bottom Layer w19.68: VT2.3 1175.25,1386.85 X1.4
OC: U1.3 VT1.5 | length 197.3
  Bottom Layer w11.81: U1.3@1122.4,1141.34 1122.4,1256.41 cw(c1134.21,1256.41) 1134.21,1268.22 VT1.5
OD: U1.1 VT1.4 | length 197.9
  Bottom Layer w11.81: VT1.4 1035.84,1268.22 cw(c1035.79,1256.41) 1047.6,1256.46 U1.1@1047.6,1141.34
POWER_EN: C12.2 R9.2 R33.2 VD1.C X6.19 | length 865.3
  Bottom Layer w11.81: R9.2 443.69,84.68 cw(c443.69,68.69) R33.2
  Bottom Layer w19.68: X6.19@30,418.73 33.68,415.05 33.68,396.32 71.61,358.39 71.61,152.76 90.08,134.29 90.71,134.29 ccw(c161.42,205) 161.42,105 288.79,105 ccw(c288.79,156.21) 325,120 cw(c374.81,70.19) 374.81,140.63 C12.2 425.31,140.94 450,140.94 ; R33.2 455,128.87 ccw(c437.93,128.87) 450,140.94 ; VD1.C 450,140.94
  other v1: -77.53,409.44 -55.71,409.84 -33.88,410.24
RBF: R10.2 U7.5 VT4.1 X6.23 | length 2364.1
  Top Layer w11.81: v1(940,215) 1061.74,336.74 ; v1(1081.4,317.08) 1061.74,336.74 ; v1@1129.37,495.05 cw(c900.94,499.04) 1062.47,337.47 1061.74,336.74
  Bottom Layer w10: X6.23@20.87,209.84 20.87,84.13 191.57,-86.57 ccw(c195.11,-83.04) 195.11,-88.04 989.89,-88.04 ccw(c989.89,-83.04) 993.43,-86.57 1030,-50 1030,-20 1051.65,1.65 1063.03,13.03 VT4.1@1065,13.03
  Bottom Layer w11.81: v1(940,215) 942.26,217.26 952.37,217.26 ccw(c952.37,229.07) 960.69,220.69 974.18,234.18 ccw(c965.79,242.49) 977.6,242.49 U7.5 ; VT4.1 1065,13.03 1065,150 1085,170 1213.24,170 ccw(c1213.19,181.81) 1225,181.81 1225,234.89 1225,255.33 ccw(c1163.25,255.33) 1163.25,317.08 v1(1081.4,317.08) ; v1@1130,495 1150,515 R10.2
  other v1: -77.53,209.44 -55.71,209.84 -33.88,210.24 1130.25,496.19
REF_1.25: R14.2 U3.2 U4.1 U4.2 | length 222.6
  Bottom Layer w11.81: U4.1 U4.2 R14.2 U3.2
STDBY: R11.1 U2.6 | length 188.9
  Bottom Layer w11.81: R11.1 385,1090 395,1100 U2.6
SW: L2.2 U8.1 VD1.A | length 218.8
  Bottom Layer w27.56: VD1.A 567.91,259.06 ccw(c567.91,296.42) L2.2 cw(c580.17,255.84) 600.2,255.84 U8.1
TEMP: R4.2 X1.3 X7.21 | length 1550
  Top Layer w11.81: 1160,1514.93 1160,1404.89 ccw(c1171.81,1404.89) 1163.43,1396.57 1226.54,1333.46 cw(c1218.19,1325.11) 1230,1325.11 v1(1230,785) ; 1160,1514.98 cw(c1187.6,1514.89) 1187.49,1542.49 ; 1187.54,1542.49 X1.3
  Bottom Layer w6: v1(1322.25,309.84) 1344.07,309.84 X7.21@1398.82,309.84
  Bottom Layer w11.81: R4.2 1200.7,1570 1228.21,1542.49 X1.3 ; v1(1230,785) 1230,614.89 ccw(c1241.81,614.89) 1233.45,606.55 1266.57,573.43 cw(c1258.19,565.11) 1270,565.11 1270,389.89 ccw(c1281.81,389.89) 1273.46,381.54 1318.81,336.19 cw(c1310.44,327.86) 1322.25,327.86 v1(1322.25,309.84)
  other v1: 1300.42,309.44 1344.07,310.24
V_DIS: C9.2 R13.1 R14.1 R26.1 R27.1 R34.1 U3.8 U7.3 VT3.2 X1.2 | length 2682.5
  Top Layer w19.68: v1(1200,745) 1220,745 ccw(c1220,790) 1265,790 1265,1368.45 cw(c1284.69,1368.45) 1270.77,1382.37 X1.2
  Bottom Layer w11.81: R27.1 799.06,591.76 ccw(c810.87,591.81) 810.82,580 R26.1 ; C9.2@940.2,105.35 U7.3 ; R13.1 980.74,839.37 cw(c980.74,827.56) 989.04,835.96 ; 989.05,835.95 1001.58,823.42 ccw(c1009.89,831.81) 1009.84,820 1158.15,820 1165,813.15
  Bottom Layer w19.68: R26.1 833.11,570.47 842.95,560.63 R14.1 1180.32,560.63 ccw(c1180.32,580.31) 1200,580.31 v1(1200,745) 1200,761.85 ccw(c1180.32,761.85) 1194.27,775.73 1170.73,799.27 cw(c1184.69,813.15) 1165,813.15 U3.8 ; VT3.2@870,-59.8 868.03,-59.8 862.13,-53.9 862.13,-51.93 830,-19.8 R34.1 830,100.24 835.77,106 895,106 899,106
  Bottom Layer w27.56: R26.1@833.11,570.47 833.11,560.63 833.11,521.72 770.93,459.54 770.93,353.28 890,234.21 890,122.01 ccw(c907.07,122.07) 895,110 899,106 C9.2@934.72,106
VBAT: BAT1.A R1.1 R6.2 R19.1 R20.1 R25.1 R26.2 X6.24 | length 2723
  Top Layer w19.68: X6.24@120.87,209.84 121.03,210 670,210 746.93,133.07 BAT1.A@759.84,133.07 ; BAT1.A@659.84,413.39 BAT1.A@859.84,413.39 ; BAT1.A@859.84,433.07 859.84,529.84 1205,875 v1(1205,985)
  Bottom Layer w7.87: R20.1 490.52,401.78 490.52,339.61 495.13,335 R19.1@528.43,335
  Bottom Layer w11.81: R26.2 737.89,580 ccw(c737.89,591.81) 749.7,591.81 749.7,649.99 R25.1
  Bottom Layer w19.68: v1(197.44,209.84) 240.32,209.84 ccw(c240.32,229.52) 260,229.52 260,363.03 R6.2 ; R19.1@528.43,335 528.43,346.42 532.34,350.34 659.84,350.34 ; R26.2 664.84,580 659.84,575 659.84,413.39 659.84,350.34 ; BAT1.A@759.84,113.39 ccw(c731.43,113.39) 751.92,133.07 ccw(c731.43,113.39) 751.52,133.48 689.13,195.87 cw(c759.84,266.58) 659.84,266.58 659.84,350.34 ; R1.1 v1(1205,985)
  other v1: 175.61,209.44 219.26,210.24
Vbat_ADC: R6.1 R7.2 X6.20 | length 192.6
  Bottom Layer w11.81: X6.20@197.52,409.92 300,409.92 ; R6.1 300,409.92 ; R7.2 300,409.92
  Bottom Layer w19.68: v1(197.44,409.84) X6.20@197.52,409.92
  other v1: 175.61,409.44 219.26,410.24
Vbms: C1.2 R1.2 U1.5 | length 85
  Bottom Layer w11.81: U1.5@1085,1030 C1.2 R1.2
VCHARGE: C4.2 R18.1 R19.2 U2.5 X2.2 X3.2 X4.2 X5.2 | length 3080.1
  Top Layer w19.68: X2.2 200.47,33.14 285,117.67 ; v1(281.48,1136.67) 281.06,1136.24 281.06,393.4 v1(339.07,335.39) ; v1(285,165) 285,117.67 ; X5.2@1178.24,8.15 1125.08,-45 447.67,-45 285,117.67
  Bottom Layer w7.87: R19.2@410.31,335 436.5,335 ccw(c436.5,342.87) 444.37,342.87 R18.1
  Bottom Layer w19.68: X4.2 255,1549.53 ; 255,1550 255,1549.53 ; v1(281.48,1136.67) 281.48,1227.7 cw(c301.17,1227.7) 287.25,1241.62 C4.2 315.63,1348.88 255,1409.51 255,1549.53 ; v1(285,165) 345,225 v1@345,335 ; C4.2@315.63,1265.08 325.47,1255.24 328.1,1254.4 cw(c322.15,1235.64) 336.07,1249.56 339.27,1246.36 cw(c325.32,1232.48) 345,1232.48 U2.5 ; v1(339.07,335.39) R19.2 ; X3.2 255,1549.53
VIN: C11.2 L2.1 U8.4 U8.5 VT3.3 | length 728.8
  Top Layer w19.68: v1(750.75,18.68) 751.82,18.68 755.49,15 815,15 830,30 v1(830,185)
  Bottom Layer w15.75: U8.5 ccw(c736.26,42.64) 666.5,-27.13 673.92,-34.55 C11.2 ccw(c672.85,-33.48) 675,-33.48 U8.4
  Bottom Layer w19.68: U8.4 677.36,45 724.43,45 v1(750.75,18.68) 750.75,18.11 783.39,-14.53 783.39,-16.5 789.29,-22.4 VT3.3@791.26,-22.4 ; L2.1@744.64,270 L2.1 740,195 750,185 v1(830,185)
pads on no net: U1.4 U2.7 U3.5 U3.6 U3.7 U8.6 X6.1 X6.2 X6.3 X6.6 X6.8 X6.9 X6.10 X6.11 X6.12 X6.13 X6.15 X6.16 X6.17 X6.18 X6.21 X7.1 X7.3 X7.4 X7.6 X7.7 X7.8 X7.9 X7.10 X7.11 X7.12 X7.15 X7.17 X7.19 X7.22 X7.23 X7.24
copper on no net:
  other v1: 1300.42,209.44 1553.57,209.44 1322.25,209.84 1344.07,210.24 1575.39,209.84 1597.22,210.24 -77.53,309.44 1553.57,309.44 -55.71,309.84 -33.88,310.24 1575.39,309.84 1597.22,310.24 1300.42,409.44 1322.25,409.84 1344.07,410.24 -77.53,509.44 175.61,509.44 1300.42,509.44 -55.71,509.84 -33.88,510.24 197.44,509.84 219.26,510.24 1322.25,509.84 1344.07,510.24 -77.53,609.44 175.61,609.44 1300.42,609.44 -55.71,609.84 -33.88,610.24 197.44,609.84 219.26,610.24 1322.25,609.84 1344.07,610.24 -77.53,709.44 -55.71,709.84 -33.88,710.24 -77.53,809.44 175.61,809.44 1300.42,809.44 1553.57,809.44 -55.71,809.84 -33.88,810.24 197.44,809.84 219.26,810.24 1322.25,809.84 1344.07,810.24 1575.39,809.84 1597.22,810.24 -77.53,909.44 175.61,909.44 1300.42,909.44 1553.57,909.44 -55.71,909.84 -33.88,910.24 197.44,909.84 219.26,910.24 1322.25,909.84 1344.07,910.24 1575.39,909.84 1597.22,910.24 175.61,1009.44 1300.42,1009.44 1553.57,1009.44 197.44,1009.84 219.26,1010.24 1322.25,1009.84 1344.07,1010.24 1575.39,1009.84 1597.22,1010.24 175.61,1109.44 1553.57,1109.44 197.44,1109.84 219.26,1110.24 1575.39,1109.84 1597.22,1110.24 -77.53,1209.44 1300.42,1209.44 1553.57,1209.44 -55.71,1209.84 -33.88,1210.24 1322.25,1209.84 1344.07,1210.24 1575.39,1209.84 1597.22,1210.24 -77.53,1309.44 175.61,1309.44 1300.42,1309.44 -55.71,1309.84 -33.88,1310.24 197.44,1309.84 219.26,1310.24 1322.25,1309.84 1344.07,1310.24

## Polygon pours and split planes (outlines as drawn)
GND on Top Layer "TOP_GND" (solid, remove dead copper, pour order 0): -106.3,-27.56 -104.33,-45.08 -98.5,-61.72 -89.12,-76.65 -76.65,-89.12 -61.72,-98.5 -45.08,-104.33 -27.56,-106.3 1547.24,-106.3 1564.77,-104.33 1581.41,-98.5 1596.34,-89.12 1608.81,-76.65 1618.19,-61.72 1624.01,-45.08 1625.98,-27.56 1625.98,1547.24 1624.01,1564.77 1618.19,1581.41 1608.81,1596.34 1596.34,1608.81 1581.41,1618.19 1564.77,1624.01 1547.24,1625.98 -27.56,1625.98 -45.08,1624.01 -61.72,1618.19 -76.65,1608.81 -89.12,1596.34 -98.5,1581.41 -104.33,1564.77 -106.3,1547.24
GND on Bottom Layer "BOT_GND" (solid, remove dead copper, pour order 1): -106.3,-27.56 -104.33,-45.08 -98.5,-61.72 -89.12,-76.65 -76.65,-89.12 -61.72,-98.5 -45.08,-104.33 -27.56,-106.3 1547.24,-106.3 1564.77,-104.33 1581.41,-98.5 1596.34,-89.12 1608.81,-76.65 1618.19,-61.72 1624.01,-45.08 1625.98,-27.56 1625.98,1547.24 1624.01,1564.77 1618.19,1581.41 1608.81,1596.34 1596.34,1608.81 1581.41,1618.19 1564.77,1624.01 1547.24,1625.98 -27.56,1625.98 -45.08,1624.01 -61.72,1618.19 -76.65,1608.81 -89.12,1596.34 -98.5,1581.41 -104.33,1564.77 -106.3,1547.24

## Silkscreen, mask and mechanical layers (free items; w line width, h text height)
Top Overlay:
  region: -100.45,-44.2 -102.35,-38.77 -102.35,57.07 -31.13,57.07 ccw(c0,0) 57.07,-31.13 57.07,-102.35 -38.77,-102.35 -43.76,-100.6 -60,-94.92 -74.17,-86.01 -86.01,-74.17 -94.92,-60
  lines w7.87: -106.3,-27.56 -106.3,1547.24 -104.33,1564.77 -98.5,1581.41 -89.12,1596.34 -76.65,1608.81 -61.72,1618.19 -45.08,1624.01 -27.56,1625.98 1547.24,1625.98 1564.77,1624.01 1581.41,1618.19 1596.34,1608.81 1608.81,1596.34 1618.19,1581.41 1624.01,1564.77 1625.98,1547.24 1625.98,-27.56 1624.01,-45.08 1618.19,-61.72 1608.81,-76.65 1596.34,-89.12 1581.41,-98.5 1564.77,-104.33 1547.24,-106.3 -27.56,-106.3 -45.08,-104.33 -61.72,-98.5 -76.65,-89.12 -89.12,-76.65 -98.5,-61.72 -104.33,-45.08 -106.3,-27.56
  text "1" at 1387.48,1382.26 h40
  text "1" at 4.11,1381.06 h40
  text "2" at 112.38,1381.06 h40
  text "2" at 1490.33,1381.06 h40
  text "23" at 1.97,120.6 h40
  text "24" at 110.24,120.08 h40
  text "23" at 1379.92,120.6 h40
  text "24" at 1488.19,120.08 h40
  text "MicroSat" at 1436.31,49.93 h78.74
  text "Power" at 1434.82,-11.43 h78.74
  text "rev 1.0" at 1436.31,-68.18 h78.74
Bottom Overlay:
  region: -100.45,-44.2 -102.35,-38.77 -102.35,57.07 -31.13,57.07 ccw(c0,0) 57.07,-31.13 57.07,-102.35 -38.77,-102.35 -43.76,-100.6 -60,-94.92 -74.17,-86.01 -86.01,-74.17 -94.92,-60
  lines w7.87: -106.3,-27.56 -106.3,1547.24 -104.33,1564.77 -98.5,1581.41 -89.12,1596.34 -76.65,1608.81 -61.72,1618.19 -45.08,1624.01 -27.56,1625.98 1547.24,1625.98 1564.77,1624.01 1581.41,1618.19 1596.34,1608.81 1608.81,1596.34 1618.19,1581.41 1624.01,1564.77 1625.98,1547.24 1625.98,-27.56 1624.01,-45.08 1618.19,-61.72 1608.81,-76.65 1596.34,-89.12 1581.41,-98.5 1564.77,-104.33 1547.24,-106.3 -27.56,-106.3 -45.08,-104.33 -61.72,-98.5 -76.65,-89.12 -89.12,-76.65 -98.5,-61.72 -104.33,-45.08 -106.3,-27.56
  text "+" at 58.58,1562.24 h60
  text "+" at 412.27,1555.75 h60
  text "Power" at 1594.49,1402.29 h55.12
  text "v1.0" at 1594.49,1362.92 h55.12
  text "+" at 105,30 h60
Border:
  the board outline again, w7.87

## Text inside footprints (layer, text, board x,y; h text height)
BAT1: Top Overlay "-" at 954.88,1125.68 h60; Bottom Overlay "+" at 1000,0 h60